# Altium PCB PCB.PcbDoc (part 1 of 2)
Units mm, origin at the board's own origin, x right, y up, seen from the top; angles counter-clockwise.
Board outline 154 x 90 mm, 2 copper layers (Top Layer, Bottom Layer), stack 1.586 mm thick; 143 components, 115 nets, 461 pads, 570 vias.
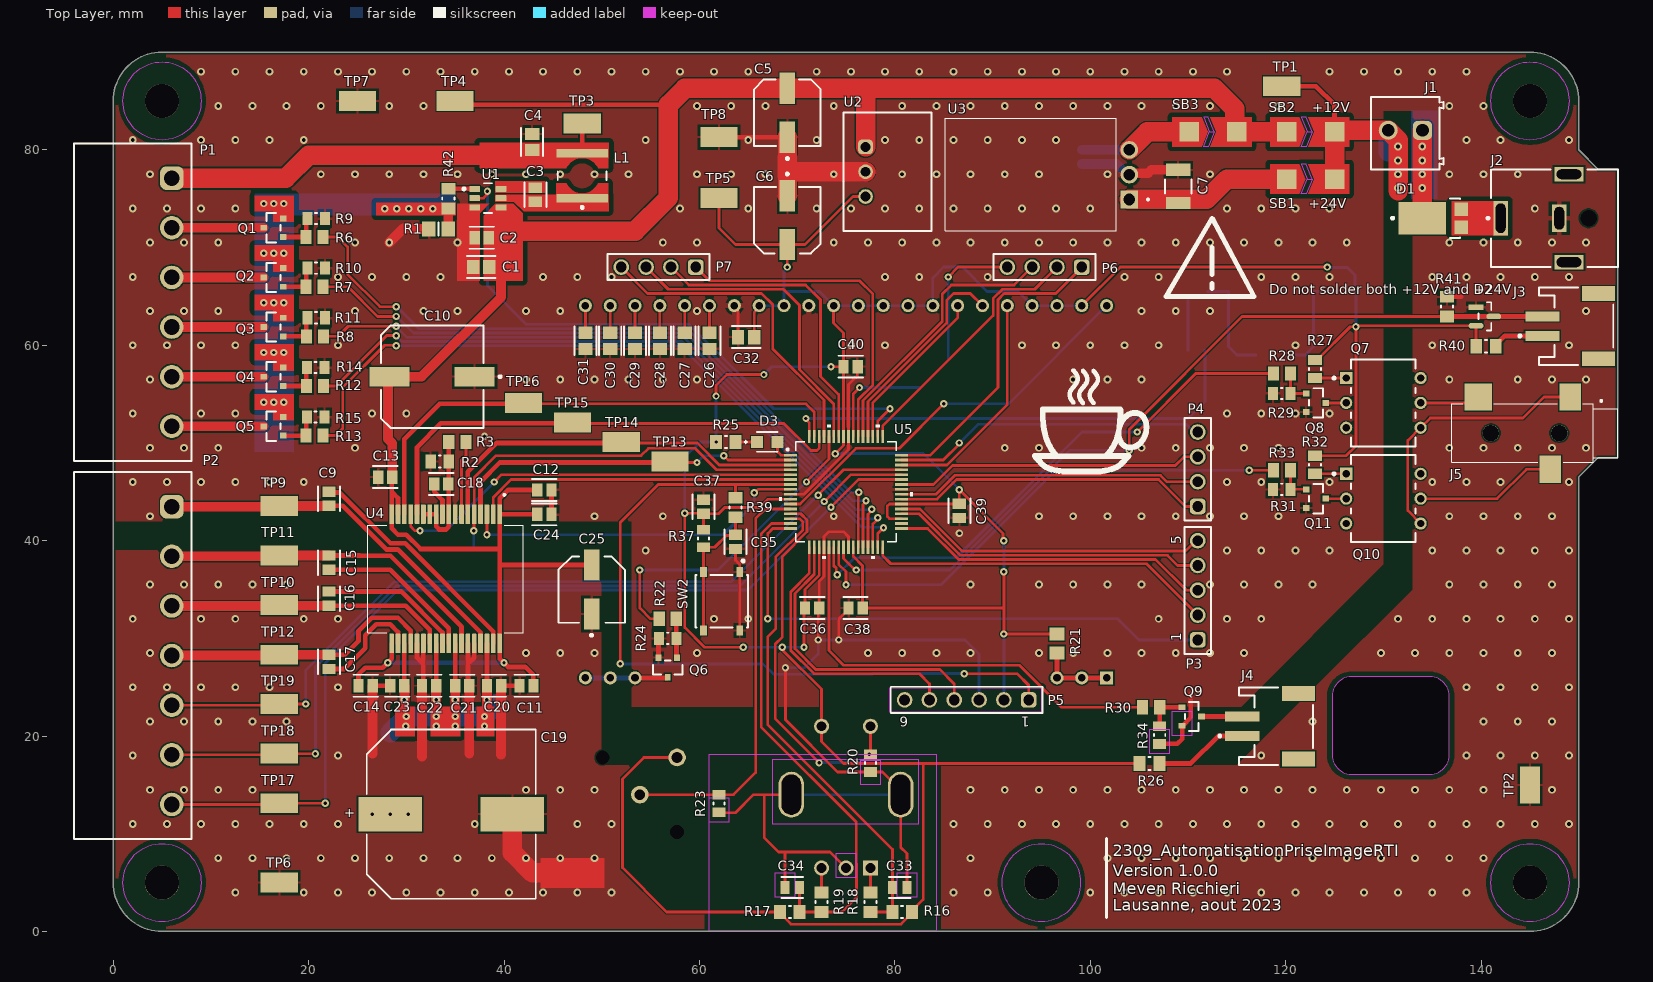
[diagram p0: Top Layer view]
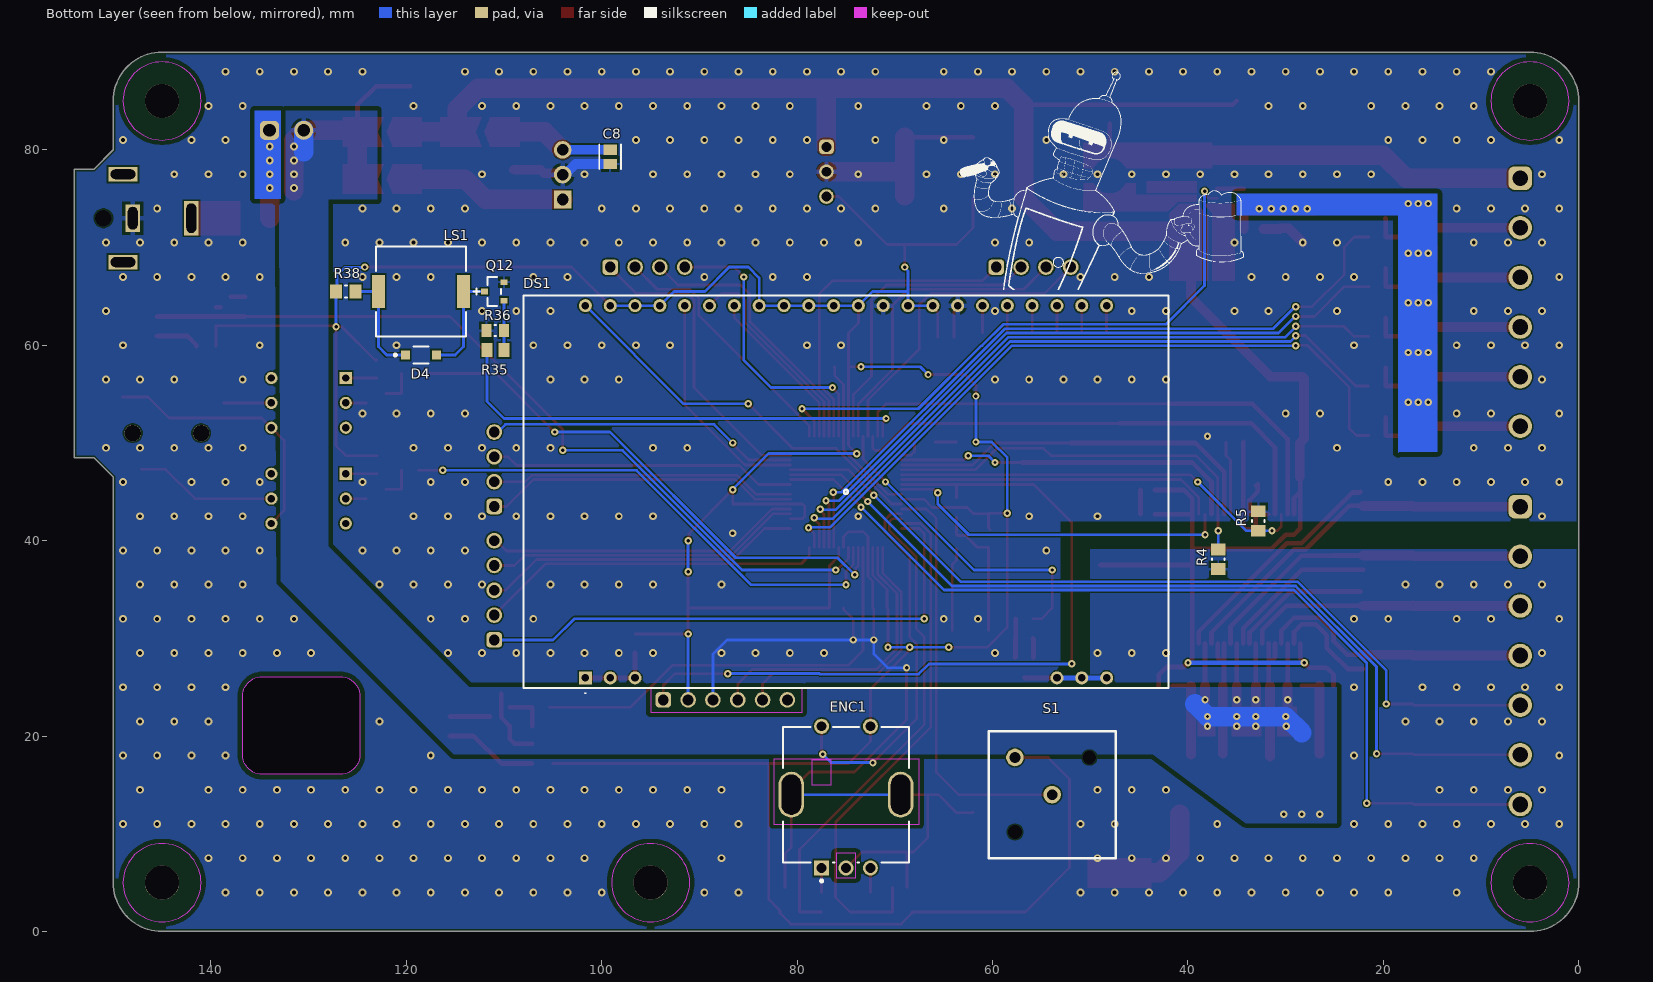
[diagram p1: Bottom Layer view, seen from below]
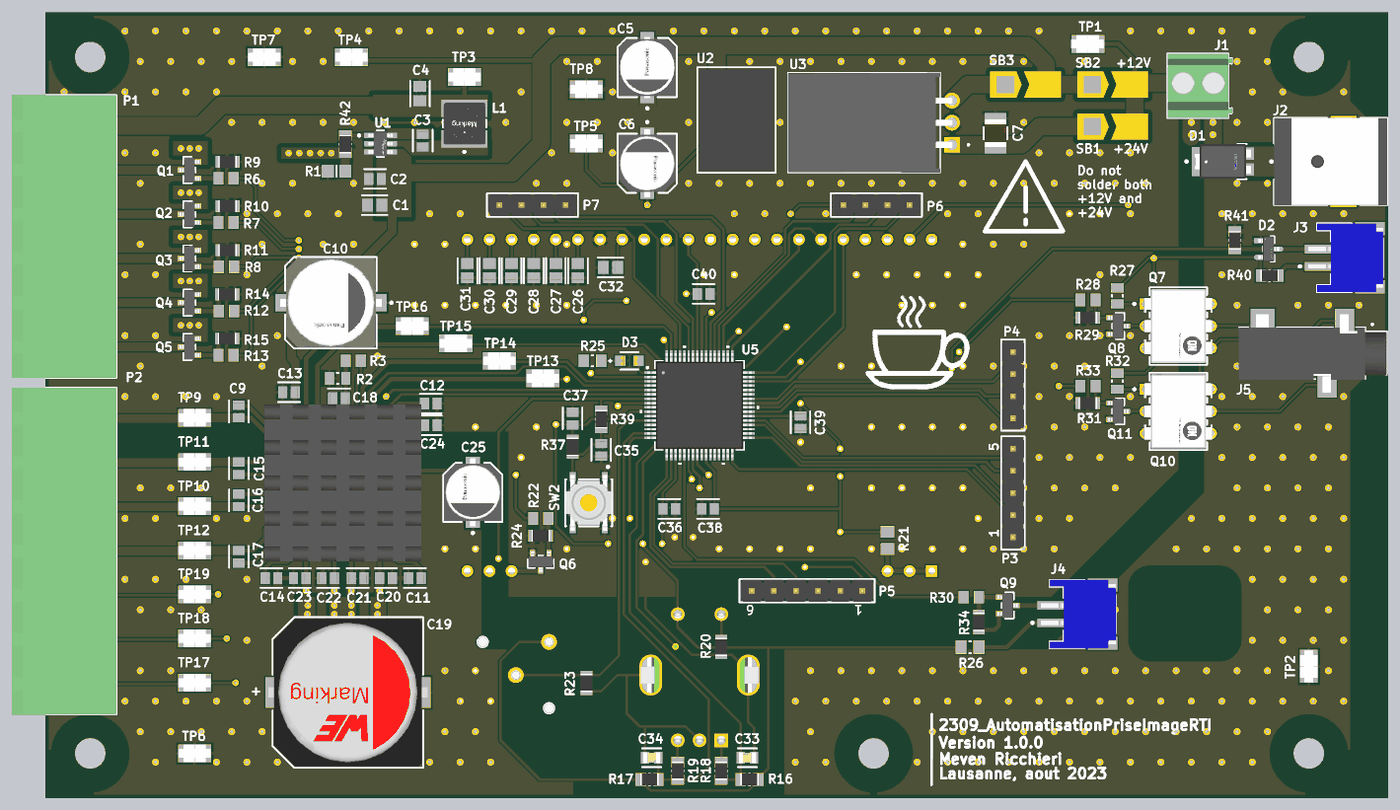
[diagram p3: 3D render of the assembled board from above, using the file's embedded part models]
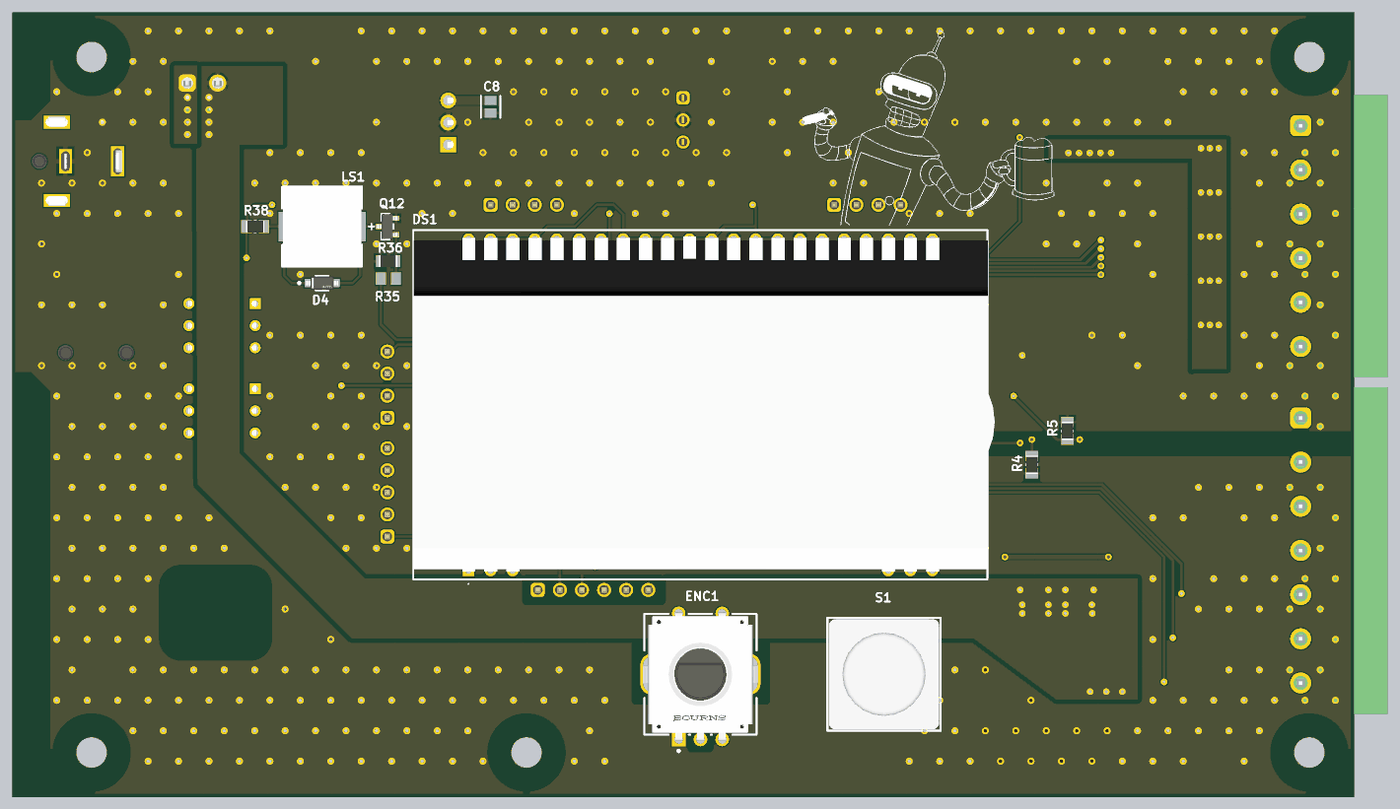
[diagram p4: 3D render of the assembled board from below, using the file's embedded part models]

## Layer stack, top to bottom
Top Solder: solder mask 0.0102, Solder Resist, Dk 3.5
Top Layer: signal copper 0.018
Dielectric1: core 1.55, FR-4, Dk 4.8
Bottom Layer: signal copper 0.018
Bottom Solder: solder mask 0.0102, Solder Resist, Dk 3.5

## Board outline
5,0 cw(c5,5) 0,5 0,85 cw(c5,85) 5,90 145,90 cw(c145,85) 150,85 150,80 152,78 154,78 154,76 154,49 154,48.5 152,48.5 150,46.5 150,46 150,45 150,5 cw(c145,5) 145,0
cut-out: 124.75,18.075 ccw(c126.75,18.075) 126.75,16.075 134.75,16.075 ccw(c134.75,18.075) 136.75,18.075 136.75,24.075 ccw(c134.75,24.075) 134.75,26.075 126.75,26.075 ccw(c126.75,24.075) 124.75,24.075

## Design rules (kind name [scope] priority, off if disabled: settings)
BoardOutlineClearance [All] p1: gap=0.25 ignorepadtopadclearanceinfootprint=FALSE except(0: Arc-SplitContinuation Track-SplitContinuation SMDPad-SplitContinuation THPad-SplitContinuation Via-SplitContinuation Fill-SplitContinuation Poly-SplitContinuation Region-SplitContinuation Text-SplitContinuation)
Clearance Clearance-xPP-xTP-xTT [All] p1: gap=0.151 ignorepadtopadclearanceinfootprint=FALSE except(0.5: Poly-Poly Poly-Region)
ComponentClearance [All] p1: gap=0.25 collisioncheckmode=3 verticalgap=0.25 showdistances=FALSE
DiffPairsRouting [All] p1: maxlimit=0.25 minlimit=0.25 mostfreqgap=0.25 toplayer_minwidth=0.381 toplayer_maxwidth=0.381 toplayer_prefwidth=0.381 bottomlayer_minwidth=0.381 bottomlayer_maxwidth=0.381 bottomlayer_prefwidth=0.381 maxuncoupledlength=12.5
Height [All] p1: minheight=0 maxheight=25 prefheight=12.5
HoleSize HoleSize-PTH [IsVia] p1: absolutevalues=TRUE maxlimit=10 minlimit=0.25 maxpercent=80.000 minpercent=20.000
HoleToHoleClearance [All] p1: gap=0.35 allowstackedmicrovias=TRUE
MinimumAnnularRing "Minimum IAR  >0.45mm" [((ObjectKind = 'Pad') OR (ObjectKind = 'Via')) And (Layer = 'MultiLayer') And (HoleDiameter > AsMM(0.45))] p1: minimumring=0.175 // minimum inner annular ring for pads > 0.45mm finished hole size
MinimumAnnularRing "Minimum IAR <=0.45mm" [((ObjectKind = 'Pad') OR (ObjectKind = 'Via')) And (Layer = 'MultiLayer') And (HoleDiameter <= AsMM(0.45))] p2: minimumring=0.175 // minimum inner annular ring for pads <= 0.45mm finished hole size
MinimumSolderMaskSliver [All] p1: minsoldermaskwidth=0.08
PasteMaskExpansion [All] p1: expansion=-0.025
PlaneClearance PlaneClearance-IPI [All] p1: clearance=0.25
PlaneConnect [InNetClass('PowerLine')] p1: pad.planeconnectstyle=Relief pad.reliefexpansion=0.2 pad.reliefentries=4 pad.reliefconductorwidth=0.5 pad.reliefairgap=0.2 via.planeconnectstyle=Relief via.reliefexpansion=0.175 via.reliefentries=4 via.reliefconductorwidth=0.2 via.reliefairgap=0.2
PolygonConnect PolygonConnect-PowerLine [InNetClass('PowerLine')] p1: thpad.connectstyle=Relief thpad.reliefconductorwidth=0.5 thpad.reliefentries=4 thpad.polygonreliefangle="90 Angle" thpad.airgapwidth=0.3 smdpad.connectstyle=Relief smdpad.reliefconductorwidth=0.254 smdpad.reliefentries=4 smdpad.polygonreliefangle="90 Angle" smdpad.airgapwidth=0.254 via.connectstyle=Direct via.reliefconductorwidth=0.254 via.reliefentries=4 via.polygonreliefangle="90 Angle" via.airgapwidth=0.254
PolygonConnect PolygonConnect-xTW [All] p2: connectstyle=Relief reliefconductorwidth=0.2 reliefentries=4 polygonreliefangle="90 Angle" airgapwidth=0.2
RoutingCorners [All] p1: cornerstyle=45-Degree minsetback=2.5 maxsetback=2.5
RoutingVias RoutingViasES [All] p1: holewidth=0.35 width=0.75 viastyle="Through Hole" minholewidth=0.25 minwidth=0.61 maxholewidth=0.75 maxwidth=1 // finishet hole size <= 0.45mm
SilkToSilkClearance [All] p1: silktosilkclearance=0.2
SilkToSolderMaskClearance SilkscreenOverComponentPads [IsPad] p1: minsilkscreentomaskgap=0.2 clearancetoexposedcopper=TRUE
SolderMaskExpansion [All] p1: expansion=0 istentingtop=FALSE
UnRoutedNet [All] p1: checkbadconnections=TRUE
Width PowerLine [InNetClass('PowerLine')] p1: maxlimit=2 minlimit=0.2 preferedwidth=2
Width Width-xTW [All] p2: maxlimit=1.5 minlimit=0.15 preferedwidth=0.48
17 further rules are at their usual default settings.

## Classes and differential pairs
net class PowerLine: +12V +24V GND LED1- LED2- LED3- LED4- LED5- LED+ LED- NetC3_2 NetC8_1 NetC9_1 NetC15_1 NetC16_1 NetC17_1 NetD1_1 NetD1_2 PVDD
component class SchemaC-mcu: C35 C36 C37 C38 C39 C40 P3 P4 P5 P6 P7 R37 R39 SW2 U5
component class SchemaB-interace: C26 C27 C28 C29 C30 C31 C32 C33 C34 D2 D3 D4 DS1 ENC1 J3 J4 J5 LS1 Q6 Q7 Q8 Q9 Q10 Q11 Q12 R16 R17 R18 R19 R20 R21 R22 R23 R24 R25 R26 R27 R28 R29 R30 R31 R32 R33 R34 R35 R36 R38 R40 R41 S1
component class SchemaA-puissance: C1 C2 C3 C4 C5 C6 C7 C8 C9 C10 C11 C12 C13 C14 C15 C16 C17 C18 C19 C20 C21 C22 C23 C24 C25 D1 J1 J2 L1 P1 P2 Q1 Q2 Q3 Q4 Q5 R1 R2 R3 R4 R5 R6 R7 R8 R9 R10 R11 R12 R13 R14 R15 R42 SB1 SB2 SB3 TP1 TP2 TP3 TP4 TP5 TP6 TP7 TP8 TP9 TP10 TP11 TP12 TP13 TP14 TP15 TP16 TP17 TP18 TP19 U1 U2 U3 U4

## Components (designator, comment, footprint, x,y, rotation, side; value= is the part's Value field where it differs from the comment)
C1 "CL21A106KOQNNNE" FP-CL21-IPC_B 37.674,68 r180 top
C2 "CL21B104KBCNNNC" FP-CL21-IPC_C 37.726,71 r180 top
C3 "CL21B104KBCNNNC" FP-CL21-IPC_C 43.2,75.4 r270 top
C4 "CL21A106KOQNNNE" FP-CL21-IPC_B 42.882,80.8 r90 top
C5 "EEE-1VA101XP" FP-SD8-MFG 69,83.8 r90 top
C6 "EEE-FK0J221P" FP-FKD-MFG 69,72.8 r270 top
C7 "GMK325BJ226MM-P" FP-1210-L_3_2_0_3-W_2_5_0-MFG 109,76.25 r90 top
C8 "CL21A226MAYNNNE" FP-CL21-IPC_C 99.13,79.274 r270 bottom value=22uF
C9 "CL21B104KBCNNNC" FP-CL21-IPC_C 22.075,44.286 r90 top
C10 "EEE-1VA331P" FP-SG-MFG 32.65,56.78 r180 top
C11 "CL21B105KBFNNNG" FP-CL21-IPC_C 42.3,25.15 r180 top
C12 "CL21B105KBFNNNG" FP-CL21-IPC_C 44.126,45.19 r0 top
C13 "CL21B105KBFNNNG" FP-CL21-IPC_C 27.838,46.5 r180 top
C14 "CL21B105KBFNNNG" FP-CL21-IPC_C 25.826,25.15 r0 top
C15 "CL21B104KBCNNNC" FP-CL21-IPC_C 22.075,37.754 r270 top
C16 "CL21B104KBCNNNC" FP-CL21-IPC_C 22.075,34.074 r90 top
C17 "CL21B104KBCNNNC" FP-CL21-IPC_C 22.075,27.594 r270 top
C18 "CL21B104KBCNNNC" FP-CL21-IPC_C 33.574,45.8 r0 top
C19 "865080663020" WCAP-ASLI_D16H17 34.598,12 r180 top
C20 "CL21B104KBCNNNC" FP-CL21-IPC_C 38.976,25.15 r0 top
C21 "CL21B104KBCNNNC" FP-CL21-IPC_C 35.726,25.15 r0 top
C22 "CL21B104KBCNNNC" FP-CL21-IPC_C 32.324,25.15 r180 top
C23 "CL21B104KBCNNNC" FP-CL21-IPC_C 29.074,25.15 r180 top
C24 "CL21B105KBFNNNG" FP-CL21-IPC_C 44.126,42.7 r0 top
C25 "EEEFP1V470AP" FP-FPD-MFG 48.96,34.998 r90 top
C26 "CL21F105ZAFNNNF" FP-CL21-IPC_B 61.03,60.451 r270 top
C27 "CL21F105ZAFNNNF" FP-CL21-IPC_B 58.49,60.451 r270 top
C28 "CL21F105ZAFNNNF" FP-CL21-IPC_B 55.95,60.451 r270 top
C29 "CL21F105ZAFNNNF" FP-CL21-IPC_B 53.41,60.451 r270 top
C30 "CL21F105ZAFNNNF" FP-CL21-IPC_B 50.87,60.451 r270 top
C31 "CL21F105ZAFNNNF" FP-CL21-IPC_B 48.33,60.451 r270 top
C32 "CL21F105ZAFNNNF" FP-CL21-IPC_B 64.774,60.823 r180 top
C33 "C0805C103J5RAC7210" FP-C0805C-DN-MFG 80.5,4.5 r0 top value=0.01uF
C34 "C0805C103J5RAC7210" FP-C0805C-DN-MFG 69.5,4.5 r180 top value=0.01uF
C35 "CL21B104KBCNNNC" FP-CL21-IPC_C 63.7,39.874 r270 top
C36 "CL21B104KBCNNNC" FP-CL21-IPC_C 71.524,33.1 r0 top
C37 "CL21B104KBCNNNC" FP-CL21-IPC_C 60.425,43.475 r90 top
C38 "CL21B104KBCNNNC" FP-CL21-IPC_C 75.974,33.1 r180 top
C39 "CL21B104KBCNNNC" FP-CL21-IPC_C 86.6,43.046 r270 top
C40 "CL21B104KBCNNNC" FP-CL21-IPC_C 75.476,57.8 r0 top
D1 "PDS1040L-13" FP-PowerDI5-MFG 135.12,73 r180 top
D2 "BAT54SLT1G" FP-318-08-IPC_B 140.39,62.95 r0 top
D3 "LH R974-LP-1" FP-LH_R974-MFG 66.941,50.1 r0 top
D4 "1N4148W-13-F" FP-SOD123-MFG 118.5,59 r180 bottom value=2pF
DS1 "EA DOGM204" "EA DOGM204" 75,45 r180 bottom locked
ENC1 "PEC12R-4220F-S0024" FP-PEC12R-4220F-S0024-MFG 75,14 r180 bottom locked
J1 "691214110002" 691214110002 132.25,81.7 r180 top
J2 "PJ-063AH" CUI-PJ-063AH_V 148,73 r0 top
J3 "S2B-PH-SM4-TB(LF)(SN)" "JST- S2B-PH-SM4-TB(LF)(SN)-2_V" 149.725,61.95 r90 top
J4 "S2B-PH-SM4-TB(LF)(SN)" "JST- S2B-PH-SM4-TB(LF)(SN)-2_V" 119,21 r90 top
J5 "SJ-3523-SMT-TR" CUI_SJ-3523-SMT 148,51 r180 top
L1 "7440430012" WE-TPC_4828 48,77.352 r180 top
LS1 "PKMCS0909E4000-R1" FP-PKMCS-MFG 118.5,65.5 r180 bottom
P1 "691313510006" 691313510006 2,64.4 r270 top
P2 "691313510007" 691313510007 2,28.24 r270 top
P3 "61300511121" 61300511121 111,34.92 r90 top
P4 "61300411121" 61300411121 111,47.31 r90 top
P5 "61300611121" 61300611121 87.35,23.7 r180 top
P6 "61300411121" 61300411121 95.32,68 r180 top
P7 "61300411121" 61300411121 55.81,68 r180 top
Q1 "PMV20ENR" FP-SOT23-MFG 16.4,72.02 r180 top
Q2 "PMV20ENR" FP-SOT23-MFG 16.4,66.94 r180 top
Q3 "PMV20ENR" FP-SOT23-MFG 16.4,61.86 r180 top
Q4 "PMV20ENR" FP-SOT23-MFG 16.4,56.78 r180 top
Q5 "PMV20ENR" FP-SOT23-MFG 16.4,51.7 r180 top
Q6 "PMV20ENR" FP-SOT23-MFG 56.76,27.021 r270 top
Q7 "4N25M" FP-646BX-MFG 130,54.1 r0 top
Q8 "PMV20ENR" FP-SOT23-MFG 123.1,54.1 r0 top
Q9 "PMV20ENR" FP-SOT23-MFG 110.4,22 r0 top
Q10 "4N25M" FP-646BX-MFG 130,44.3 r0 top
Q11 "PMV20ENR" FP-SOT23-MFG 123.1,44.3 r0 top
Q12 "PMV20ENR" FP-SOT23-MFG 111,65.5 r0 bottom
R1 "ERJ-L06UF66MV" 6-0805_M 33.3,71.9 r0 top value=66mR
R2 "RK73B2ATTD1R0J" RESC2013X60X30NL20T20 33.425,48.1 r0 top value=1R
R3 "ERJ6ENF5602V" RESC2013X70X40NL20T20 35.225,50.1 r180 top value=56k
R4 "RC0805JR-0710KL" RESC2013X60X35ML10T20 36.902,38.1 r90 bottom
R5 "RC0805JR-0710KL" RESC2013X60X35ML10T20 32.8,42 r270 bottom
R6 "ERJ6ENF2200V" RESC2013X70X40NL20T20 20.6,71.07 r180 top value=220R
R7 "ERJ6ENF2200V" RESC2013X70X40NL20T20 20.6,65.99 r180 top value=220R
R8 "ERJ6ENF2200V" RESC2013X70X40NL20T20 20.65,60.91 r180 top value=220R
R9 "RC0805FR-0747KL" RESC2013X60X35NL10T20 20.775,72.97 r180 top value=47k
R10 "RC0805FR-0747KL" RESC2013X60X35NL10T20 20.775,67.89 r180 top value=47k
R11 "RC0805FR-0747KL" RESC2013X60X35NL10T20 20.775,62.81 r180 top value=47k
R12 "ERJ6ENF2200V" RESC2013X70X40NL20T20 20.65,55.83 r180 top value=220R
R13 "ERJ6ENF2200V" RESC2013X70X40NL20T20 20.6,50.75 r180 top value=220R
R14 "RC0805FR-0747KL" RESC2013X60X35NL10T20 20.725,57.73 r180 top value=47k
R15 "RC0805FR-0747KL" RESC2013X60X35NL10T20 20.725,52.65 r180 top value=47k
R16 "RC0805JR-0710KL" RESC2013X60X35ML10T20 80.75,2 r180 top
R17 "RC0805JR-0710KL" RESC2013X60X35ML10T20 69.25,2 r0 top
R18 "RC0805JR-0710KL" RESC2013X60X35ML10T20 77.5,3 r90 top
R19 "RC0805JR-0710KL" RESC2013X60X35ML10T20 72.5,3 r90 top
R20 "RC0805FR-0747KL" RESC2013X60X35NL10T20 77.5,17.227 r90 top value=47k
R21 "ERJ6ENF18R0V" RESC2013X70X40ML20T20 96.59,29.475 r270 top value=18R
R22 "ERJ6ENF2200V" RESC2013X70X40NL20T20 56.76,32 r0 top value=220R
R23 "RC0805FR-0747KL" RESC2013X60X35NL10T20 62,13.1 r90 top value=47k
R24 "RC0805FR-0747KL" RESC2013X60X35NL10T20 56.76,30 r0 top value=47k
R25 "RC0805JR-0775RL" RESC2013X60X35ML10T20 62.7,50.1 r180 top value=150R
R26 "RK73B2ATTD200J" RESC2013X60X30ML20T20 106.075,17.2 r180 top value=20R
R27 "CRCW0805210RFKEA" RESC2013X50X30NL20T20 123,57.565 r270 top value=220R
R28 "ERJ6ENF2200V" RESC2013X70X40NL20T20 119.625,57.1 r0 top value=220R
R29 "RC0805FR-0747KL" RESC2013X60X35NL10T20 119.6,55.05 r0 top value=47k
R30 "ERJ6ENF2200V" RESC2013X70X40NL20T20 106.225,22.95 r0 top value=220R
R31 "RC0805FR-0747KL" RESC2013X60X35NL10T20 119.6,45.25 r0 top value=47k
R32 "CRCW0805210RFKEA" RESC2013X50X30NL20T20 123,47.765 r270 top value=220R
R33 "ERJ6ENF2200V" RESC2013X70X40NL20T20 119.625,47.2 r0 top value=220R
R34 "RC0805FR-0747KL" RESC2013X60X35NL10T20 107.1,20.1 r90 top value=47k
R35 "ERJ6ENF2200V" RESC2013X70X40NL20T20 110.875,59.5 r180 bottom value=220R
R36 "RC0805FR-0747KL" RESC2013X60X35NL10T20 110.9,61.5 r180 bottom value=47k
R37 "RC0805FR-0747KL" RESC2013X60X35NL10T20 60.425,40.226 r90 top value=47k
R38 "RC0805JR-070RL" RESC2013X60X35ML10T20 126.19,65.5 r0 bottom
R39 "RC0805FR-071KL" RESC2013X60X35ML10T20 63.7,43.4 r90 top
R40 "RC0805FR-071KL" RESC2013X60X35ML10T20 140.5,59.9 r0 top
R41 "RC0805JR-0710KL" RESC2013X60X35ML10T20 136.5,63.95 r90 top
R42 "RC0805JR-070RL" RESC2013X60X35ML10T20 34.3,75.002 r270 top
S1 "Tact-sw 1241.1082" "Tact-sw 1241.1082" 53.9,14 r180 bottom locked
SB1 "Solder bridge 3mm close" "Solder bridge" 125,77 r180 top
SB2 "Solder bridge 3mm open" "Solder bridge" 125,81.84 r180 top
SB3 "Solder bridge 3mm close" "Solder bridge" 115,81.84 r180 top
SW2 "PTS526SK15SMTR2LFS" FP-PTS526SK15SMTR2LFS-MFG 62.275,33.8 r270 top
TP1 "5019" KSTN-5019_V 119.6,86.5 r0 top
TP2 "5019" KSTN-5019_V 145,15 r90 top
TP3 "5019" KSTN-5019_V 48,82.699 r0 top
TP4 "5019" KSTN-5019_V 35,85 r0 top
TP5 "5019" KSTN-5019_V 62,75.079 r0 top
TP6 "5019" KSTN-5019_V 17,5 r0 top
TP7 "5019" KSTN-5019_V 25,85 r0 top
TP8 "5019" KSTN-5019_V 62,81.3 r0 top
TP9 "5019" KSTN-5019_V 17,43.56 r0 top
TP10 "5019" KSTN-5019_V 17,33.4 r180 top
TP11 "5019" KSTN-5019_V 17,38.48 r180 top
TP12 "5019" KSTN-5019_V 17,28.32 r180 top
TP13 "5019" KSTN-5019_V 57,48.1 r180 top
TP14 "5019" KSTN-5019_V 52,50.1 r180 top
TP15 "5019" KSTN-5019_V 47,52.1 r180 top
TP16 "5019" KSTN-5019_V 42,54.1 r180 top
TP17 "5019" KSTN-5019_V 17,13.12 r180 top
TP18 "5019" KSTN-5019_V 17,18.2 r180 top
TP19 "5019" KSTN-5019_V 17,23.28 r180 top
U1 "TPS92200D1DDCR" FP-DDC0006A-MFG 38.35,75.052 r0 top
U2 "173950378" WPME-FDSM_SIP-3_L11.6W8.5H10.5 79.25,77.76 r270 top
U3 "P7812-2000R-S" P7812-2000R-S 93.9,77.46 r180 top
U4 "DRV8432DKD" "SOP65P1420X360-36N - duplicate" 34.025,36.09 r270 top locked
U5 "PIC32MK0512MCF064-I/PT" TQFP64_PT_MCH 75,45 r0 top locked

## Footprints (in the part's own frame and the unit in brackets; to place one, negate y for a bottom-side part, rotate by r counter-clockwise, add the part's x,y. Pads: shape width x height; smd on the part's side, far side on the other; paste and mask are expansions set on the pad)
6-0805_M [mm] "Chip Resistor, Body 2.0x1.2mm, IPC Low Density"
  rect 1.4x1.5 smd: 1(-1,0) 2(1,0)
  silkscreen extent 0,-0.65 0,0.65, body extent -1.07,-0.7 1.07,0.7, height 0.7
61300411121 [mm] "Pin Header, pitch 2.54 mm, THT, Vertical, single row, 4p"
  rrect50% 1.6x1.6 hole 1.1: 1(-3.81,0)
  round 1.6 hole 1.1: 2(-1.27,0) 3(1.27,0) 4(3.81,0)
  silkscreen extent -5.23,-1.35 5.23,1.35, body extent -5.08,-1.27 5.08,1.27, height 8.57
61300511121 [mm] "Pin Header, pitch 2.54 mm, THT, Vertical, single row, 5p"
  rrect50% 1.6x1.6 hole 1.1: 1(-5.08,0)
  round 1.6 hole 1.1: 2(-2.54,0) 3(0,0) 4(2.54,0) 5(5.08,0)
  silkscreen extent -6.5,-1.35 6.5,1.35, body extent -6.35,-1.27 6.35,1.27, height 8.57
61300611121 [mm] "Pin Header, pitch 2.54 mm, THT, Vertical, single row, 6p"
  rrect50% 1.6x1.6 hole 1.1: 1(-6.35,0)
  round 1.6 hole 1.1: 2(-3.81,0) 3(-1.27,0) 4(1.27,0) 5(3.81,0) 6(6.35,0)
  silkscreen extent -7.77,-1.35 7.77,1.35, body extent -7.62,-1.27 7.62,1.27, height 8.57
691214110002 [mm] "3.50 mm Horizontal Entry Modular, 2p"
  rrect50% 1.95x1.95 hole 1.3: 1(-1.75,-0.3)
  round 1.95 hole 1.3: 2(1.75,-0.3)
  silkscreen extent -3.9,-3.7 3.5,3.7, body extent -3.95,-3.7 3.5,3.7, height 8.55
691313510006 [mm] "5,08mm - PCB Headers - Horizontal - Closed ends - 06p"
  rrect50% 2.4x2.4 hole 1.6: 1(-12.7,4)
  round 2.4 hole 1.6: 2(-7.62,4) 3(-2.54,4) 4(2.54,4) 5(7.62,4) 6(12.7,4)
  silkscreen extent -16.24,-6 16.24,6, body extent -16.24,-6 16.24,6, height 8.55
691313510007 [mm] "5,08mm - PCB Headers - Horizontal - Closed ends - 07p"
  rrect50% 2.4x2.4 hole 1.6: 1(-15.24,4)
  round 2.4 hole 1.6: 2(-10.16,4) 3(-5.08,4) 4(0,4) 5(5.08,4) 6(10.16,4) 7(15.24,4)
  silkscreen extent -18.78,-6 18.78,6, body extent -18.78,-6 18.78,6, height 8.55
CUI-PJ-063AH_V [mm] "THD, 2-Leads, Body 13x10mm, Height 9mm"
  rect 1.5x3.5 hole 1 slot 3 at 90 deg: 1(-6,0)
  rect 1.5x2.8 hole 1 slot 2.3 at 90 deg: 2(0,0)
  rect 3x1.5 hole 1 slot 2.5 at 0 deg: 3(1,4.5) 4(1,-4.5)
  round 1.4 hole 1.7 unplated: 5(3,0)
  silkscreen extent -7.42,-5 6,5, body extent -7,-5.15 6,5.15, height 9
CUI_SJ-3523-SMT [mm]
  rect 2.2x2.8 smd: 1(-1.1,-3.7) 3(0.9,3.7)
  rect 2.8x2.8 smd: 2(8.3,-3.7)
  round 1.7 hole 1.7 unplated: ""(0,0) ""(7,0)
  silkscreen extent -6,-3.4 11,3, body extent -5.96,-4.43 11.04,4.57, height 5.17
"EA DOGM204" [mm]
  rect 1.337x1.337 hole 0.78: 1(-26.67,-19.05)
  round 1.337 hole 0.78: 2(-24.13,-19.05) 3(-21.59,-19.05) 20(21.59,-19.05) 21(24.13,-19.05) 22(26.67,-19.05) 23(26.67,19.05) 24(24.13,19.05) 25(21.59,19.05) 26(19.05,19.05) 27(16.51,19.05) 28(13.97,19.05) 29(11.43,19.05) 30(8.89,19.05) 31(6.35,19.05) 32(3.81,19.05) 33(1.27,19.05) 34(-1.27,19.05) 35(-3.81,19.05) 36(-6.35,19.05) 37(-8.89,19.05) 38(-11.43,19.05) 39(-13.97,19.05) 40(-16.51,19.05) 41(-19.05,19.05) 42(-21.59,19.05) 43(-24.13,19.05) 44(-26.67,19.05)
  silkscreen extent -33,-20.65 33,20.1, body extent -33,-19.2 33.83,19.35, height 5.7
FP-318-08-IPC_B [mm]
  rect 1.524x0.578 smd paste+0 mask+0: 1(-0.91,0.95)
  rrect100% 1.524x0.578 smd paste+0 mask+0: 2(-0.91,-0.95) 3(0.91,0)
  silkscreen extent -0.65,-1.45 0.65,1.45, body extent -1.92,-1.7 1.92,1.7, height 0.25
FP-646BX-MFG [mm]
  rect 1.25x1.25 hole 0.75 paste-1000 mask+0: 1(-3.81,2.54)
  round 1.25 hole 0.75 paste-1000 mask+0: 2(-3.81,0) 3(-3.81,-2.54) 4(3.81,-2.54) 5(3.81,0) 6(3.81,2.54)
  silkscreen extent -5.17,-4.44 3.3,4.44, body extent -4.53,-4.54 4.53,4.54, height 0.25
FP-1210-L_3_2_0_3-W_2_5_0-MFG [mm]
  rect 1.25x2.5 smd paste+0 mask+0: 1(-1.7,0) 2(1.7,0)
  silkscreen extent -0.7,-1.35 0.7,1.35, body extent -2.42,-1.45 2.42,1.45, height 0.25
FP-C0805C-DN-MFG [mm]
  rect 0.95x1.35 smd paste+0 mask+0: 1(-0.75,0) 2(0.75,0)
  silkscreen extent -1.1,-1.07 1.1,1.07, body extent -1,-0.63 1,0.63, height 0.88
FP-CL21-IPC_B [mm]
  rect 1.255x1.456 smd paste+0 mask+0: 1(-0.826,0) 2(0.826,0)
  silkscreen extent -1.45,-1.13 1.45,1.13, body extent -1.7,-0.98 1.7,0.98, height 0.25
FP-CL21-IPC_C [mm]
  rect 1.055x1.356 smd paste+0 mask+0: 1(-0.726,0) 2(0.726,0)
  silkscreen extent -1.25,-1.12 1.25,1.12, body extent -1.35,-0.82 1.35,0.82, height 0.25
FP-DDC0006A-MFG [mm]
  rrect17% 1.1x0.6 smd paste+0 mask+0: 1(-1.35,0.95) 2(-1.35,0) 3(-1.35,-0.95) 4(1.35,-0.95) 5(1.35,0) 6(1.35,0.95)
  silkscreen extent -2.57,-1.53 0.42,1.53, body extent -2,-1.63 2,1.63, height 0.25
FP-FKD-MFG [mm]
  rect 3.2x1.6 smd paste+0 mask+0: 1(-2.5,0) 2(2.5,0)
  silkscreen extent -4.85,-3.4 3.4,3.4, body extent -4.35,-3.65 4.35,3.65, height 0.25
FP-FPD-MFG [mm]
  rect 3.2x1.6 smd paste+0 mask+0: 1(-2.5,0) 2(2.5,0)
  silkscreen extent -4.8,-3.4 3.4,3.4, body extent -4.35,-3.65 4.35,3.65, height 0.25
FP-LH_R974-MFG [mm]
  rect 1.2x1.2 smd paste+0 mask+0: 1(-1.05,0) 2(1.05,0)
  silkscreen extent -2.35,-1 1.05,1, body extent -1,-0.65 1,0.65, height 0.9
FP-PEC12R-4220F-S0024-MFG [mm]
  round 1.55 hole 1 paste-1000 mask+0: 1(-2.5,7) 2(2.5,7) B(2.5,-7.5) C(0,-7.5)
  rrect100% 2.6x4.7 hole 4.1 slot 2 at 0 deg paste-1000 mask+0: 3(-5.6,0) 4(5.6,0)
  rect 1.55x1.55 hole 1 paste-1000 mask+0: A(-2.5,-7.5)
  silkscreen extent -6.45,-8.95 6.45,6.95, body extent -6.84,-7.67 6.83,7.13, height 20.5
FP-PKMCS-MFG [mm]
  rect 1.3x3.4 smd paste+0 mask+0: 1(-4.35,0) 2(4.35,0)
  silkscreen extent -4.6,-4.6 5.97,4.6, body extent -4.5,-4.5 4.5,4.5, height 1.9
FP-PowerDI5-MFG [mm]
  rect 1.4x1.39 smd paste+0 mask+0: 1(-2.862,0.917) 3(-2.862,-0.917)
  rect 4.86x3.36 smd paste+0 mask+0: 2(1.12,0)
  silkscreen extent -2.73,-2.02 4.3,2.02, body extent -3.66,-2.12 3.65,2.12, height 0.25
FP-PTS526SK15SMTR2LFS-MFG [mm]
  rect 1x0.7 smd paste+0 mask+0: 1(-3,1.85) 2(3,1.85) 3(-3,-1.85) 4(3,-1.85)
  silkscreen extent -4.25,-2.7 2.7,2.7, body extent -3.2,-2.6 3.2,2.6, height 1.65
FP-SD8-MFG [mm]
  rect 3.2x1.6 smd paste+0 mask+0: 1(-2.5,0) 2(2.5,0)
  silkscreen extent -4.82,-3.4 3.4,3.4, body extent -4.35,-3.65 4.35,3.65, height 0.25
FP-SG-MFG [mm]
  rect 4.1x2 smd paste+0 mask+0: 1(-4.35,0) 2(4.35,0)
  silkscreen extent -7.07,-5.25 5.25,5.25, body extent -6.65,-5.5 6.65,5.5, height 0.25
FP-SOD123-MFG [mm]
  rect 0.9x0.95 smd paste+0 mask+0: 1(-1.575,0) 2(1.575,0)
  silkscreen extent -2.75,-0.85 0.75,0.85, body extent -1.85,-0.77 1.85,0.77, height 1.45
FP-SOT23-MFG [mm]
  rect 0.7x0.6 smd paste-1000 mask+0: 1(-1,0.95) 2(-1,-0.95) 3(1,0)
  silkscreen extent -0.7,-1.5 0.7,1.5, body extent -1.5,-1.65 1.5,1.65, height 0.25